# Altium PCB PCB.PcbDoc (part 1 of 2) (continued)
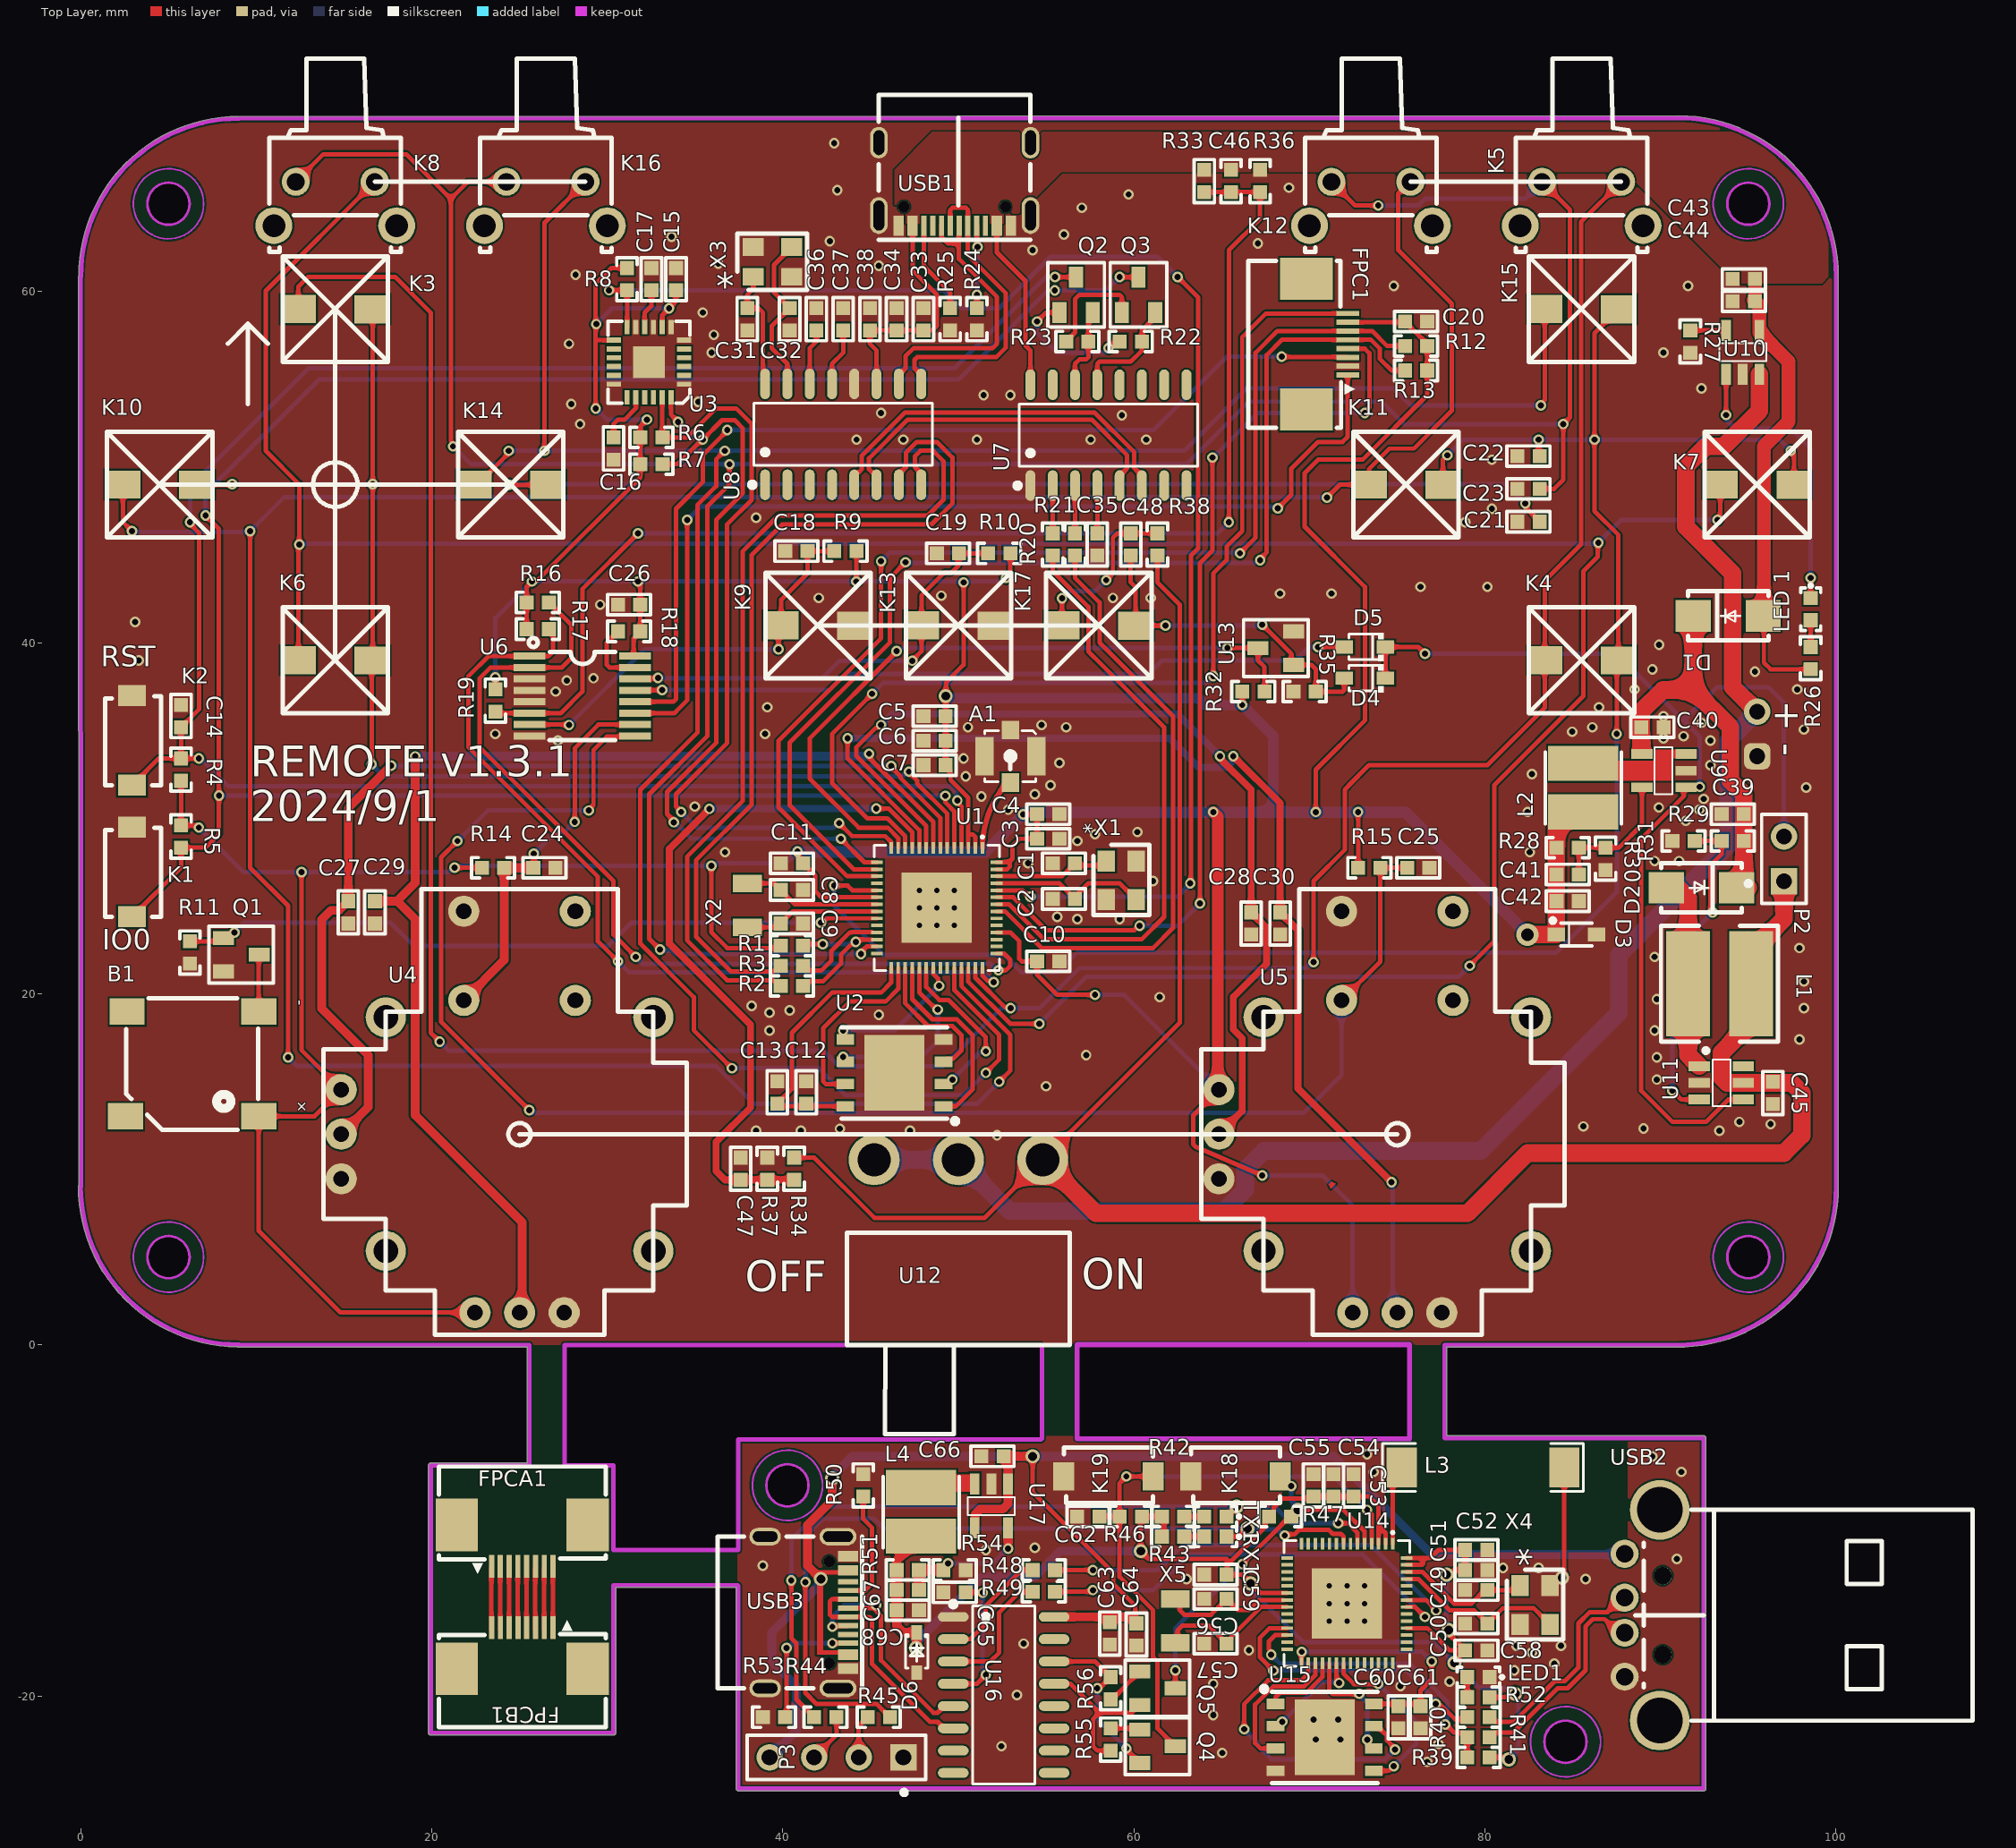
[diagram p0: Top Layer view]
## Components (designator, comment, footprint, x,y, rotation, side; value= is the part's Value field where it differs from the comment) (continued)
R30 "22.1K" CR1608-0603 86.868,27.686 r270 top
R31 "10KR" CR1608-0603 91.313,28.702 r0 top
R32 "100KR" CR1608-0603 66.802,37.211 r180 top
R33 "10K" CR1608-0603 65.532,66.294 r90 top
R34 "10K" CR1608-0603 40.64,10.033 r90 top
R35 "10KR" CR1608-0603 69.723,37.211 r0 top locked
R36 "10K" CR1608-0603 67.183,66.294 r270 top
R37 "10K" CR1608-0603 39.116,10.033 r270 top
R38 "100R" CR1608-0603 61.341,45.593 r90 top
R39 "1.5K" CR1608-0603 79.629,-23.495 r180 top
R40 "0R" CR1608-0603 79.629,-22.352 r0 top
R41 "0R" CR1608-0603 79.629,-21.209 r0 top
R42 "4.7K" CR1608-0603 62.23,-9.779 r0 top
R43 "4.7K" CR1608-0603 62.23,-10.922 r0 top
R44 "100R" CR1608-0603 42.418,-21.209 r0 top
R45 "100R" CR1608-0603 45.466,-21.209 r180 top
R46 "10K/NC" CR1608-0603 59.817,-9.779 r0 top
R47 "10K" CR1608-0603 68.326,-9.779 r180 top
R48 "470R" CR1608-0603 54.864,-12.827 r0 top
R49 "470R" CR1608-0603 54.864,-14.061 r0 top
R50 "5.1K" CR1608-0603 44.577,-8.001 r270 top
R51 "100K" CR1608-0603 47.117,-12.827 r0 top
R52 "4.7K" CR1608-0603 79.629,-20.066 r180 top
R53 "5.1K" CR1608-0603 39.497,-21.209 r0 top
R54 "22.1K" CR1608-0603 49.784,-12.827 r0 top
R55 "12K/10K" CR1608-0603 58.674,-22.479 r90 top
R56 "12K/10K" CR1608-0603 58.674,-19.558 r270 top
RX1 "LED 0603" "LED 0603" 64.643,-10.922 r0 top
TX1 "LED 0603" "LED 0603" 64.643,-9.779 r0 top
U1 "ESP32-S3" QFN-56 48.768,24.892 r270 top
U2 "W25Q64JVPIQ" WSON-8 46.355,15.494 r90 top locked
U3 "MPU6050" "QFN24 - duplicate" 32.373,55.975 r180 top
U4 "rocker" PCBCOMPONENT_1 25,12 r0 top locked
U5 "rocker" PCBCOMPONENT_1 75,12 r0 top locked
U6 "PCA9557PW" TSSOP-16 28.575,36.957 r270 top
U7 "CH340C" SOP-16 58.547,51.816 r0 top
U8 "SL2.1A" SOP-16 43.434,51.864 r0 top
U9 "SY8089A1AAC" SOT23-5 91.44,33.66 r270 top
U10 "TP4054" SOT23-5 95.636,55.285 r180 top
U11 "SX1308" SOT23-6 93.472,14.986 r270 top
U12 "HX SS12D10G4" SW-TH_3P-SS12D06 50,10.541 r0 top locked
U13 "AO3400A" SOT-23 69.088,38.735 r90 top locked
U14 "ESP32-S3" QFN-56 72.136,-14.732 r270 top locked
U15 "W25Q128JVPIQ" WSON-8 70.866,-22.352 r270 top
U16 "CH340C" SOP-16 52.578,-19.939 r270 top
U17 "SY8089A1AAC" SOT23-5 50.922,-7.914 r0 top
USB1 "Tpye-c 16P" "TYPE-C 16P" 46.898,64.829 r180 top locked
USB2 "AM90" USB-AM 88.952,-15.4 r90 top
USB3 "Tpye-c 16P" "TYPE-C 16P" 42.639,-18.132 r270 top locked
X1 "3225_40M" XTAL-3225 60.12,27.559 r270 top locked
X2 "32.768kKHz" XTAL-3215 37.973,26.289 r270 top
X3 "3225_12M" XTAL-3225 38.313,62.533 r0 top
X4 "3225_40M" XTAL-3225 83.693,-13.716 r270 top
X5 "32.768kKHz" XTAL-3215 62.357,-14.478 r270 top

## Footprints (in the part's own frame and the unit in brackets; to place one, negate y for a bottom-side part, rotate by r counter-clockwise, add the part's x,y. Pads: shape width x height; smd on the part's side, far side on the other; paste and mask are expansions set on the pad)
ANT-SMD_L9.5-W2.1 [mm]
  rect 1.71x2.268 smd paste-100 mask+0.051: 1(-4.63,0) 2(4.63,0)
  silkscreen extent -5.71,-1.36 5.71,1.36, body extent -4.81,-1.05 4.69,1.05, height 1.05
BUZ-SMD_GSC7525RA [mm]
  rect 2x1.5 smd paste+0 mask+0.051: 1(-3.795,2.98) 2(-3.795,-2.98) 3(3.705,-2.98) 3(3.795,2.98)
  silkscreen extent -3.75,-3.75 3.76,3.76, body extent -3.81,-3.81 3.69,3.69, height 2.5
CC1608-0603 [mm]
  rect 0.8x0.8 smd: 1(-0.635,0) 2(0.635,0)
  silkscreen extent -1.23,-0.58 1.23,0.58, body extent -0.8,-0.4 0.8,0.4, height 0.3
CR1608-0603 [mm]
  rect 0.8x0.8 smd: 1(-0.635,0) 2(0.635,0)
  silkscreen extent -1.23,-0.58 1.23,0.58, body extent -0.8,-0.4 0.8,0.4, height 0.45
"DO-214 AA" [mm] "SMB"
  rect 2x1.8 smd: 1(-2,0) 2(2,0)
  silkscreen extent -2.3,-1.4 2.3,1.4, body extent -2.83,-1.8 2.57,1.8, height 2.4
"DO-214 AA SMB" [mm]
  rect 2x1.8 smd: 1(-2,0) 2(2,0)
  silkscreen extent -2.3,-1.4 2.3,1.4, body extent -2.83,-1.8 2.57,1.8, height 2.4
FFC-SMD_8P-P0.50 [mm]
  rect 0.3x1.3 smd paste+0 mask+0.051: 1(1.75,1.175) 2(1.25,1.175) 3(0.75,1.175) 4(0.25,1.175) 5(-0.25,1.175) 6(-0.75,1.175) 7(-1.25,1.175) 8(-1.75,1.175)
  rect 2.4x3 smd paste+0 mask+0.051: 9(3.725,-1.175) 10(-3.725,-1.175)
  silkscreen extent -4.75,-4.5 4.75,1.6, body extent -3.18,-2.71 3.18,0.89, height 0.85
HDR1X2 [mm] "Connector; Header; 2 Position"
  rect 1.5x1.5 hole 0.9: 1(0,0)
  round 1.5 hole 0.9: 2(2.54,0)
  silkscreen extent -1.27,-1.27 3.81,2.17, body extent -1.27,-1.27 3.81,1.27, height 8.54
HDR1X4 [mm] "Connector; Header; 4 Position"
  rect 1.5x1.5 hole 0.9: 1(0,0)
  round 1.5 hole 0.9: 2(2.54,0) 3(5.08,0) 4(7.62,0)
  silkscreen extent -1.27,-1.27 8.89,2.14, body extent -1.27,-1.27 8.89,1.27, height 8.54
HX2.54-2 [mm] "两针白色插座（已加焊）"
  rrect50% 1.5x1.5 hole 0.9: 1(0,0)
  round 1.5 hole 0.9: 2(2.54,0)
  silkscreen extent -2.36,-3.5 4.94,2.2, body extent -2.48,-3.55 5.02,2.45, height 7
INDUCTOR-4018 [mm]
  rect 2x4 smd paste+0 mask+0.051: 1(-1.397,0) 2(1.373,0)
  silkscreen extent -2.03,-2.16 2.03,2.16, body extent -2,-2 2,2, height 1.8
Inductor-4018 [mm]
  rect 2x4 smd paste+0 mask+0.051: 1(-1.397,0) 2(1.373,0)
  silkscreen extent -2.03,-2.16 2.03,2.16, body extent -2,-2 2,2, height 1.8
INDUCTOR-6045 [mm] "电感"
  rect 6x2.5 smd: 1(0,0) 2(0,-3.6)
  silkscreen extent -3.3,-5.14 3.3,1.52, body extent -3,-4.93 3,1.37, height 4.5
IPEX-SMD_HC-RF-IPEX0303-01 [mm] "孔径2.0mm"
  rect 1x1.05 smd: 1(0,-1.5) 4(0,1.5)
  rect 1.05x2.2 smd: 2(1.475,0) 3(-1.475,0)
  silkscreen extent -1.45,-1.45 1.45,1.45, body extent -1.5,-1.55 1.5,1.55, height 1.25
"KEY 3*4" [mm]
  rect 1.2x1.6 smd: 1(0,0) 2(5.1,0)
  silkscreen extent 0,-1.65 5.08,1.52, body extent 0.25,-1.71 4.7,1.46, height 2.01
"KEY 6*6*5" [mm] "无声微动开关"
  rect 2x1.6 smd: 1(-2.1,0) 2(2.1,-0.013)
  silkscreen extent -3,-3.01 3,3.01, body extent -3.32,-3.05 3.33,3.05, height 5
"LED 0603" [mm]
  rect 0.8x0.8 smd: 1(-0.635,0) 2(0.635,0)
  silkscreen extent -1.21,-0.57 1.4,0.57, body extent -0.8,-0.4 0.8,0.4, height 0.6
PCBCOMPONENT_1 [mil]
  round 70 hole 35.4 paste+0 mask+4: 1(-125,500) 2(125,500) 3(-125,300) 4(125,300)
  round 70 hole 35 paste+0 mask+4: 5(-400,100) 6(-400,0) 7(-400,-100) 8(-100,-400) 9(0,-400) 10(100,-400)
  round 90 hole 55 paste+0 mask+4: MOUNT1(-300,262) MOUNT2(-300,-262) MOUNT3(300,-262) MOUNT4(300,262)
  silkscreen extent -440,-450 375,550, body extent -447,-446 290,535, height 772
"QFN24 - duplicate" [mm]
  rect 0.8x0.3 smd: 1(-2,1.25) 2(-2,0.75) 3(-2,0.25) 4(-2,-0.25) 5(-2,-0.75) 6(-2,-1.25) 13(2,-1.25) 14(2,-0.75) 15(2,-0.25) 16(2,0.25) 17(2,0.75) 18(2,1.25)
  rect 1.8x1.8 smd: 1(0.005,0)
  rect 0.3x0.8 smd: 7(-1.25,-2) 8(-0.75,-2) 9(-0.25,-2) 10(0.25,-2) 11(0.75,-2) 12(1.25,-2) 19(1.25,2) 20(0.75,2) 21(0.25,2) 22(-0.25,2) 23(-0.75,2) 24(-1.25,2)
  silkscreen extent -2.32,-2.32 2.32,2.32, body extent -2,-2 2.01,2, height 0.9
QFN-56 [mm]
  rect 0.665x0.2 smd paste-100 mask+0.051: 1(-3.407,2.6) 2(-3.407,2.2) 3(-3.407,1.8) 4(-3.407,1.4) 5(-3.407,1) 6(-3.407,0.6) 7(-3.407,0.2) 8(-3.407,-0.2) 9(-3.407,-0.6) 10(-3.407,-1) 11(-3.407,-1.4) 12(-3.407,-1.8) 13(-3.407,-2.2) 14(-3.407,-2.6) 29(3.408,-2.6) 30(3.408,-2.2) 31(3.408,-1.8) 32(3.408,-1.4) 33(3.408,-1) 34(3.408,-0.6) 35(3.408,-0.2) 36(3.408,0.2) 37(3.408,0.6) 38(3.408,1) 39(3.408,1.4) 40(3.408,1.8) 41(3.408,2.2) 42(3.408,2.6)
  rect 0.2x0.665 smd paste-100 mask+0.051: 15(-2.6,-3.407) 16(-2.2,-3.407) 17(-1.8,-3.407) 18(-1.4,-3.407) 19(-1,-3.407) 20(-0.6,-3.407) 21(-0.2,-3.407) 22(0.2,-3.407) 23(0.6,-3.407) 24(1,-3.407) 25(1.4,-3.407) 26(1.8,-3.407) 27(2.2,-3.407) 28(2.6,-3.407) 43(2.6,3.408) 44(2.2,3.408) 45(1.8,3.408) 46(1.4,3.408) 47(1,3.408) 48(0.6,3.408) 49(0.2,3.408) 50(-0.2,3.408) 51(-0.6,3.408) 52(-1,3.408) 53(-1.4,3.408) 54(-1.8,3.408) 55(-2.2,3.408) 56(-2.6,3.408)
  rect 4x4 smd paste-100 mask+0.051: 57(0,0)
  silkscreen extent -4.11,-3.58 3.58,3.58, body extent -3.51,-3.52 3.51,3.49, height 0.9
SOD-323#1 [mm]
  rect 1x0.8 smd: 1(0,0) 2(2.3,0)
  silkscreen extent -0.32,-0.65 2.02,0.92, body extent -0.16,-0.67 2.44,0.68, height 1.1
SOD-323#2 [mm]
  rect 0.83x0.63 smd paste+0 mask+0.05: 1(-1.14,0) 2(1.14,0)
  silkscreen extent -1.02,-0.64 0.89,0.64, body extent -1.27,-0.68 1.33,0.68, height 1.1
SOD-323_L1.8-W1.3-LS2.5-RD [mm]
  rect 1x0.75 smd paste+0 mask+0.051: 1(-1.173,0) 2(1.173,0)
  silkscreen extent -1.08,-0.8 0.9,0.8, body extent -1.3,-0.67 1.3,0.68, height 1.1
SOP-16 [mm]
  oval 0.56x1.745 smd: 1(-4.445,-2.873) 2(-3.175,-2.873) 3(-1.905,-2.873) 4(-0.635,-2.873) 5(0.635,-2.873) 6(1.905,-2.873) 7(3.175,-2.873) 8(4.445,-2.873) 9(4.445,2.873) 10(3.175,2.873) 11(1.905,2.873) 12(0.635,2.873) 13(-0.635,2.873) 14(-1.905,2.873) 15(-3.175,2.873) 16(-4.445,2.873)
  silkscreen extent -5.33,-3.02 5.08,1.77, body extent -4.99,-3.09 4.99,3.14, height 1.59
SOT23-5 [mm] "适用于MIC5205"
  rect 0.55x1.2 smd: 1(1.905,0) 2(0.955,0) 3(0.005,0) 4(0.005,-2.5) 5(1.905,-2.5)
  silkscreen extent -0.38,-1.78 2.29,-0.76, body extent -0.6,-2.82 2.5,0.38, height 1.45
SOT23-6 [mm]
  rect 0.55x1.2 smd: 1(-0.889,-1.27) 2(0.061,-1.27) 3(1.011,-1.27) 4(1.011,1.23) 5(0.061,1.23) 6(-0.889,1.23)
  silkscreen extent -1.9,-1.02 1.4,0.51, body extent -1.39,-1.4 1.51,1.4, height 1.45
SOT-23 [mm]
  rect 0.8x1.2 smd: 1(0,0) 2(1.905,0) 3(0.95,2.02)
  silkscreen extent -0.66,-0.84 2.57,2.84, body extent -0.61,-0.23 2.39,2.27, height 1.05
SW-TH_3P-SS12D06 [mm]
  round 2.9 hole 1.9 paste+0 mask+0.051: 1(-4.8,0) 2(0,0) 3(4.8,0)
  silkscreen extent -6.35,-15.62 6.35,-4.15, body extent -6.35,-15.68 6.35,-4.19, height 6.7
SW-TH_KH-6X6X7H-ZJ [mm]
  round 1.6 hole 1 paste+0 mask+0.05: 1(2.25,1.25) 2(-2.25,1.25)
  round 2.1 hole 1.3 paste+0 mask+0.05: 3(3.5,-1.25) 4(-3.5,-1.25)
  silkscreen extent -3.75,-2.75 3.75,8.25, body extent -3.75,-2.48 3.75,5.67, height 7.5
TSSOP-16 [mm]
  rect 0.406x1.803 smd paste+0 mask+0.102: 1(-2.275,-3) 2(-1.625,-3) 3(-0.975,-3) 4(-0.325,-3) 5(0.325,-3) 6(0.975,-3) 7(1.625,-3) 8(2.275,-3) 9(2.275,3) 10(1.625,3) 11(0.975,3) 12(0.325,3) 13(-0.325,3) 14(-0.975,3) 15(-1.625,3) 16(-2.275,3)
  silkscreen extent -3.3,-3.05 2.5,1.88, body extent -2.5,-3.2 2.5,3.2, height 1.1
"TYPE-C 16P" [mm]
  oval 1x2.099 hole 0.6 slot 1.7 at 90 deg: 1(-7.21,0.5) 2(1.43,0.5)
  oval 1x1.799 hole 0.6 slot 1.4 at 90 deg: 3(-7.21,-3.65) 4(1.43,-3.65)
  rect 0.6x1.15 smd: A1B12(-6.09,1.075) A4B9(-5.29,1.075) B1A12(0.31,1.075) B4A9(-0.49,1.075)
  rect 0.3x1.15 smd: A5(-4.14,1.075) A6(-3.14,1.075) A7(-2.64,1.075) A8(-1.64,1.075) B5(-1.14,1.075) B6(-2.14,1.075) B7(-3.64,1.075) B8(-4.64,1.075)
  round 0.65 hole 0.65 unplated: ""(-5.78,0) ""(0,0)
  silkscreen extent -7.21,-6.37 1.43,1.89, body extent -7.31,-6 1.63,0.9, height 3.18
USB-AM [mm]
  round 1.6 hole 1 paste+0 mask+0.051: 1(3.5,1) 2(1,1) 3(-1,1) 4(-3.5,1)
  round 3.4 hole 2.6 paste+0 mask+0.051: MH1(6,-1) MH2(-6,-1)
  round 1 hole 1 unplated paste+0: ""(-2.25,-1.175) ""(2.25,-1.175)
  silkscreen extent -6.01,-18.81 6.01,-0.1, body extent -6.3,-18.67 6.3,1.52, height 4.5
WSON-8 [mm]
  rect 0.6x1 smd paste+0 mask+0.051: 1(-1.905,-2.8) 2(-0.635,-2.8) 3(0.635,-2.8) 4(1.905,-2.8) 5(1.905,2.8) 6(0.635,2.8) 7(-0.635,2.8) 8(-1.905,2.8)
  rect 4.3x3.4 smd paste+0 mask+0.051: 9(0,0)
  silkscreen extent -2.9,-3.6 2.6,3, body extent -2.5,-3 2.5,3, height 0.7
XTAL-3215 [mm]
  rect 1x1.65 smd: 1(0,0) 2(2.5,0)
  body extent -0.33,-0.75 2.87,0.75, height 0.8
XTAL-3225 [mm]
  rect 1.2x1 smd: 1(0,-1.7) 2(2.2,-1.7) 3(2.2,0) 4(0,0)
  silkscreen extent -0.91,-2.44 3.07,0.76, body extent -0.43,-2.15 2.77,0.35, height 0.61

## Part data
A1: "贴片封装的天线 封装类型为IPEX"
B1: "2700Hz", Manufacturer=INGHAi(赢海), Manufacturer Part=GSC7525RA-16R2700, Contributor=LCSC, nameAlias=Value, spicePre=B, spiceSymbolName=GSC7525RA-16R2700, Supplier=LCSC, Supplier Part=C255313
C1 C2 C3 C4 C5 C6 C7 C8 C9 C10 C11 C12 C13 C14 C15 C16 C17 C18 C19 C20 C21 C22 C23 C24 C25 C26 C27 C28 C29 C30 C31 C32 C33 C34 C35 C36 C37 C38 C40 C41 C42 C43 C44 C45 C46 C47 C48 C49 C50 C51 C52 C53 C54 C55 C56 C57 C58 C59 C60 C61 C62 C63 C64 C65 C66 C67 C68: library part "Cap Chip 0603", "0603封装的电容", Published=8-Jun-2000, Publisher="Altium Limited", Revision="July-2002: Re-released for DXP Platform."
C39: library part "Chip capacitor", "贴片电容"
D1 D4 D5: "肖特基二极管"
D2: "大电流肖特基二极管，5A/40V"
D3 D6: "SOD-323 3.3V 双向ESD防静电二极管保护芯片", JLCPCB Part Class="Extended Part", Manufacturer=MDD, Manufacturer Part=SMAJ6.5CA, spicePre=D, spiceSymbolName=SMAJ6.5CA-C110041, Supplier=LCSC, Supplier Part=C110041
FPC1 FPCA1 FPCB1: JLCPCB Part Class="Extended Part", Manufacturer=TXGA(特思嘉), Manufacturer Part=FFC05001-08SBB124W5M-H, Contributor=LCSC, spicePre=F, spiceSymbolName=FFC05001-08SBB124W5M-H, Supplier=LCSC, Supplier Part=C456420
K1 K2 K18 K19: "轻触开关按键"
K3 K4 K6 K7 K9 K10 K11 K13 K14 K15 K17: "无声轻触开关"
K5 K8 K12 K16: "卧式轻触开关"
L1: library part Inductor-6045, "6045封装 线绕SMD功率电感"
L2 L4: library part Inductor-4018, "贴片电感 1206封装"
L3: JLCPCB Part Class="Extended Part", Manufacturer=rainsun(霖昱微), Manufacturer Part=AN9520-245, spicePre=L, spiceSymbolName=AN9520-245, Supplier=LCSC, Supplier Part=C99665
P1 P2: "Header, 2-Pin", LatestRevisionDate=17-Jul-2002, LatestRevisionNote="Re-released for DXP Platform.", Publisher="Altium Limited"
P3: "Header, 4-Pin", LatestRevisionDate=17-Jul-2002, LatestRevisionNote="Re-released for DXP Platform.", Publisher="Altium Limited"
Q1: "N沟道  / 漏源电压(Vdss) 20V  / 连续漏极电流(Id) 2.8A  / 功率(Pd) 900mW  / 导通电阻(RDS(on)@Vgs,Id) 55mΩ@4.5V,2.8A  / 阈值电压(Vgs(th)@Id) 1.2V@250uA  / 输入电容(Ciss@Vds) 260pF@10V", JLCPCB Part Class="Extended Part", Manufacturer=TWGMC(台湾迪嘉), Manufacturer Part=SI2306, Contributor=LCSC, spicePre=Q, spiceSymbolName=SI2306_C727154, Supplier=LCSC, Supplier Part=C727154
Q2 Q3 Q4 Q5: Manufacturer=SALLTECH(萨瑞), Contributor=lcsc, Manufacturer Part=S8050, spicePre=Q, spiceSymbolName=S8050_C3027096, Supplier=LCSC, Supplier Part=C3027096
R1 R2 R3 R4 R5 R6 R7 R8 R9 R10 R12 R13 R14 R15 R16 R17 R18 R19 R20 R21 R22 R23 R24 R25 R26 R27 R28 R30 R33 R34 R36 R37 R38 R39 R40 R41 R42 R43 R44 R45 R46 R47 R48 R49 R50 R51 R52 R53 R54 R55 R56: library part "Resistor Chip 0603", "0603封装电阻", Published=8-Jun-2000, Publisher="Altium Limited", Revision="July-2002: Re-released for DXP Platform."
R11 R29 R31 R32 R35: library part "Chip resistor", "贴片电阻"
U1 U14: JLCPCB Part Class="Extended Part", Manufacturer=ESPRESSIF(乐鑫), Contributor=LCSC, Manufacturer Part=ESP32-S3, spicePre=U, spiceSymbolName=ESP32-S3, Supplier=LCSC, Supplier Part=C2913192
U2: library part W25Q128JVPIQ, JLCPCB Part Class="Extended Part", Manufacturer=WINBOND(华邦), Contributor=LCSC, Manufacturer Part=W25Q128JVPIQ, spicePre=U, spiceSymbolName=W25Q128JVPIQ, Supplier=LCSC, Supplier Part=C2803379
U3: "陀螺仪"
U4 U5: Manufacturer Part=摇杆, Contributor=Alex_Ai, spicePre=U, spiceSymbolName="摇杆_直插_圆半径13_10电气脚_4固定脚 COPY"
U6: "TSSOP-16 8位I2C总线和SMBus I/O扩展器芯片", JLCPCB Part Class="Extended Part", Manufacturer=TI(德州仪器), Contributor=LCSC, Manufacturer Part=PCA9557PW, spicePre=U, spiceSymbolName=PCA9557PW, Supplier=LCSC, Supplier Part=C1542488
U7 U16: JLCPCB Part Class="Extended Part", Manufacturer=WCH(南京沁恒), Manufacturer Part=CH340C, spicePre=U, spiceSymbolName=CH340C, Supplier=LCSC, Supplier Part=C84681
U8: "USB HUB 四拓展"
U9 U17: "SY8089A1是一种高效率的1.5MHz同步降压DC/DC稳压器，能够提供高达输出电流2A。它可以在2.5V到5.5V的宽输入电压范围内工作，集成了主开关和同步开关，具有极低的RDS(ON)，最大限度地减少了导通损耗。 / 输出电压纹波小，外接电感小，电容器尺寸小 / 1.5MHz开关频率。"
U10: "迷你充电IC SOT-23-5"
U11: "SOT23-6 升压芯片"
U12: library part SW-TH_3P-SS12D06, BOM_JLCPCB Part Class="Extended Part", BOM_Manufacturer=hanxia(韩下), BOM_Manufacturer Part="HX SS12D10G4", BOM_Supplier=LCSC, BOM_Supplier Part=C5149841, Contributor=lcsc, link=https://atta.szlcsc.com/upload/public/pdf/source/20220907/2020D7183ED16DD6E2B9F5A13FB144CF.pdf, spicePre=U, spiceSymbolName="HX SS12D10G4"
U13: "UMW AO3400A SOT-23 30V/5.8A N沟道 MOS(场效应管)芯片", JLCPCB Part Class="Extended Part", Manufacturer=ElecSuper(静芯微）, Manufacturer Part=AO3401A, Contributor=lcsc, link=https://so.szlcsc.com/global.html?k=C5224202&ref=editor, spicePre=U, spiceSymbolName=AO3401A_C5224202, Supplier=LCSC, Supplier Part=C5224202
U15: JLCPCB Part Class="Extended Part", Manufacturer=WINBOND(华邦), Contributor=LCSC, Manufacturer Part=W25Q128JVPIQ, spicePre=U, spiceSymbolName=W25Q128JVPIQ, Supplier=LCSC, Supplier Part=C2803379
USB1 USB3: "16P 封装的TYPE -c接口 4固定插脚 双向"
USB2: library part USB-AM90, JLCPCB Part Class="Extended Part", Manufacturer="SHOU HAN(首韩)", Contributor=LCSC, Manufacturer Part=AM90, spicePre=U, spiceSymbolName=AM90, Supplier=LCSC, Supplier Part=C404965
X1 X3 X4: library part "XTAL 3225", "3225封装的晶振"
X2 X5: library part "XTAL 3215 32.768kKHz", "3215封装的时钟晶振"

## Via types
v1: diameter 0.6, hole 0.35, Top Layer to Bottom Layer, tented both sides, 343 vias
v2: diameter 0.8, hole 0.5, Top Layer to Bottom Layer, tented both sides, 16 vias
v3: diameter 0.61, hole 0.305, Top Layer to Bottom Layer, 9 vias
v4: diameter 0.61, hole 0.305, Top Layer to Bottom Layer, tented both sides, 9 vias
v5: diameter 1.27, hole 0.711, Top Layer to Bottom Layer, tented both sides, 1 vias

## Nets (pads, with @x,y where several pads share a name; then routed paths per layer and width w, separated by ;. In a path a pad name is that pad's centre, name@x,y a point inside that pad or via, vN(x,y) a via of type N, cw(c..) or ccw(c..) an arc to the next point about the centre after c; other vN are vias at no path point)
3.3V: B1.1 C3.2 C4.2 C5.2 C6.2 C7.2 C10.2 C11.2 C15.2 C20.1 C26.2 C41.2 C42.2 D3.1 FPC1.7 L2.2 R1.1 R4.2 R5.2 R6.1 R7.1 R8.1 R9.1 R10.1 R12.2 R13.2 R14.2 R15.2 R16.1 R17.1 R18.1 R19.1 R28.1 R32.2 U1.2 U1.3 U1.20 U1.46 U1.55 U1.56 U3.8 U3.13 U4.5 U4.8 U5.5 U5.8 U6.16 | length 370.2
  Top Layer w0.254: R4.2@5.715,32.131 R5.2@5.715,29.591 6.604,29.591 v1(6.731,29.464) ; v1(12.573,26.924) 12.573,16.807 U4.5@14.84,14.54 13.322,13.022 B1.1@10.145,13.022 10.145,6.492 14.797,1.84 U4.8@22.46,1.84 ; v1(21.303,27.178) R14.2@22.86,27.178 ; R19.1@23.622,37.338 v1(23.622,38.028) ; R17.1@25.4,40.767 R16.1@25.4,42.291 25.4,43.18 25.774,43.554 26.028,43.554 31.877,49.403 R6.1@31.877,51.689 31.877,52.324 v1(32.258,52.705) ; v1(29.337,53.34) 29.337,58.114 v1(29.367,58.144) 29.337,58.174 29.337,60.452 30.226,61.341 R8.1@31.115,61.341 ; 29.337,57.277 29.389,57.225 U3.13@30.373,57.225 ; U6.16@31.575,39.232 31.496,39.311 31.496,40.259 R18.1@31.877,40.64 C26.2@31.877,42.164 v1@31.877,43.267 ; U3.8@33.123,57.975 33.123,58.65 v1(33.516,59.043) 33.909,59.436 C15.2@33.909,60.071 ; v1(35.92,27.284) 35.92,23.516 36.83,22.606 39.751,22.606 R1.1@39.878,22.733 ; v1@40.715,27.992 41.148,27.559 C11.2@41.148,27.432 41.421,27.159 41.846,26.734 41.846,25.845 42.199,25.492 U1.20@45.361,25.492 ; v1@44.196,43.561 R9.1@44.196,45.212 ; v1(50.292,43.434) 50.292,38.735 49.295,37.738 49.295,36.976 v2(49.276,36.957) C5.2@49.276,35.814 C6.2@49.276,34.417 C7.2@49.276,33.02 49.549,32.747 49.549,32.176 50.568,31.157 50.568,29.188 ; U1.3@50.568,28.299 50.568,29.083 50.568,29.188 ; U1.2@50.968,28.299 50.968,28.934 50.819,29.083 50.673,29.083 50.568,29.188 ; U1.46@52.176,23.492 52.962,23.492 53.467,22.987 53.467,21.993 53.616,21.844 C10.2@54.483,21.844 54.483,21.082 55.626,19.939 v1(57.785,19.939) ; U1.55@52.176,27.092 52.784,27.092 52.933,27.241 52.933,27.451 52.892,27.492 ; U1.56@52.176,27.492 52.892,27.492 ; v1(52.705,43.688) 52.959,43.942 R10.1@52.959,45.085 ; v1(53.696,30.223) 53.718,30.223 53.721,30.226 C4.2@54.483,30.226 C3.2@54.483,28.829 53.467,28.829 53.086,28.448 53.086,27.686 52.892,27.492 ; U5.5@64.84,14.54 64.84,14.534 63.373,13.067 63.373,11.535 63.373,11.43 63.522,11.281 v1(67.31,9.652) ; v1(66.167,36.449) R32.2@66.167,37.211 ; v1(70.358,30.353) 70.358,32.766 73.152,35.56 73.152,43.18 69.723,46.609 69.723,49.657 70.485,50.419 73.025,50.419 76.708,54.102 R13.2@76.708,55.499 R12.2@76.708,56.896 76.708,57.023 C20.1@75.438,58.293 75.395,58.25 FPC1.7@72.175,58.25 ; R15.2@72.771,27.178 v1(72.771,30.353)
  Top Layer w0.66: v1(64.516,30.353) 64.77,30.099 64.77,14.61 U5.5@64.84,14.54
  Top Layer w1: v5(82.423,23.368) D3.1@84.06,23.368 84.06,29.577 84.836,30.353 L2.2@85.598,30.353
  Bottom Layer w0.254: v1(6.731,29.464) 9.271,26.924 20.955,26.924 v1@21.209,27.178 ; v1@21.337,27.178 21.404,27.244 21.584,27.244 21.624,27.284 v1(35.92,27.284) ; v1(23.622,38.028) 23.622,41.402 v1(25.707,43.487) v1(31.75,43.487) 52.504,43.487 v1(52.705,43.688) ; v1(29.337,53.34) 29.972,52.705 v1(32.258,52.705) ; v1(29.367,58.144) 30.266,59.043 v1(33.516,59.043) ; v1@36.002,27.35 36.08,27.35 36.162,27.432 40.154,27.432 v1(40.831,28.109) ; v1(57.785,19.939) 59.441,19.939 U5.5@64.84,14.54 ; v1(67.31,9.652) 70.739,9.652 72.46,7.931 U5.8@72.46,1.84
  Bottom Layer w0.6: v2(49.276,36.957) 49.33,36.957 49.457,36.83 63.661,36.83 64.042,36.449 v1(66.167,36.449) 67.945,34.671 67.945,30.333
  Bottom Layer w0.66: v1(40.831,28.109) 40.868,28.072 51.545,28.072 v1(53.696,30.223) 53.806,30.333 64.516,30.333 67.945,30.333 70.358,30.333 72.751,30.333 v1(72.771,30.353) 75.438,30.353 v5(82.423,23.368)
  other v1: 44.184,43.484
5V: C39.1 C40.2 D1.1 D2.1 R29.2 U9.4 | length 22.5
  Top Layer w1: U9.4@88.94,33.874 88.9,33.914 C40.2@88.9,35.179 88.9,36.068 90.138,37.306 91.853,37.306 ; D1.1@91.853,41.529 91.853,37.306 ; D2.1@94.996,26.035 94.742,26.289 R29.2@94.742,28.702 C39.1@94.742,30.226 94.742,31.369 93.98,32.131 93.98,35.179 91.853,37.306
_3.3V: C51.2 C52.2 C53.2 C54.2 C55.2 C58.2 C59.2 C67.2 C68.2 D6.1 L4.2 R39.1 R42.1 R43.1 R46.2 R47.2 R51.1 R52.1 U14.2 U14.3 U14.20 U14.46 U14.55 U14.56 | length 93
  Top Layer w0.254: R43.1@61.722,-11.049 61.722,-9.779 R46.2@60.452,-9.779 60.388,-9.842 60.388,-11.621 60.452,-11.684 v2(60.388,-11.748) 60.833,-12.192 65.278,-12.192 65.278,-12.573 ; R47.2@67.691,-9.653 67.466,-9.878 67.466,-10.385 65.278,-12.573 ; R47.2@67.817,-9.653 67.964,-9.506 67.964,-9.26 68.48,-8.744 70.123,-8.744 C55.2@70.231,-8.636 C54.2@71.374,-8.636 C53.2@72.517,-8.636 73.406,-8.636 73.936,-9.166 73.936,-10.309 ; U14.20@68.728,-14.132 67.218,-14.132 66.665,-13.579 66.167,-13.081 C59.2@65.278,-13.081 65.278,-12.573 ; U14.3@73.936,-11.324 73.936,-10.309 ; U14.2@74.336,-11.324 74.336,-10.709 73.936,-10.309 ; U14.46@75.544,-16.132 76.711,-16.132 77.978,-17.399 C58.2@78.867,-17.399 ; U14.55@75.544,-12.532 76.413,-12.532 76.454,-12.491 76.454,-12.132 ; U14.56@75.544,-12.132 76.454,-12.132 ; v2(77.797,-13.081) 77.944,-13.081 78.198,-12.827 C51.2@78.867,-12.827 C52.2@78.867,-11.684 77.343,-11.684 76.895,-12.132 76.454,-12.132 ; v2@77.978,-16.256 77.978,-16.51 C58.2@78.867,-17.399 ; v2(78.256,-18.118) 78.38,-17.994 78.38,-17.886 C58.2@78.867,-17.399 ; R39.1@80.264,-23.495 81.245,-23.495 v2(81.362,-23.612) ; R52.1@80.264,-20.066 v2@81.661,-20.066
  Top Layer w0.5: v2@47.625,-17.272 D6.1@47.625,-16.386 46.866,-16.386 46.482,-16.002 C68.2@46.482,-15.113 C67.2@46.482,-13.97 R51.1@46.482,-12.827 46.482,-12.295 L4.2@47.879,-10.898
  Bottom Layer w0.254: v2@66.675,-13.624 66.675,-13.97 69.632,-16.927 77.065,-16.927 v2(78.256,-18.118) 79.681,-19.543 81.298,-19.543 81.625,-19.87 81.915,-19.87 81.824,-19.962 81.824,-20.123 81.915,-20.214 81.915,-23.059 v2(81.362,-23.612) ; v2(77.797,-13.081) 77.797,-16.11 v2(77.933,-16.246)
  Bottom Layer w0.5: v2(47.58,-17.262) 47.637,-17.204 47.637,-16.903 50.707,-13.833 51.332,-13.208 54.356,-13.208 55.816,-11.748 v2(60.388,-11.748)
  other v2: 81.719,-19.87 66.647,-13.596
_CH340_N: U16.6 USB3.A7 USB3.B7 | length 12.8
  Top Layer w0.254: USB3.B7@43.434,-14.478 42.799,-14.478 42.672,-14.605 42.672,-15.367 42.805,-15.5 43.714,-15.5 44.936,-15.5 45.085,-15.649 45.085,-18.181 48.367,-21.463 48.811,-21.463 49.192,-21.844 U16.6@49.705,-21.844
_CH340_P: U16.5 USB3.A6 USB3.B6 | length 14.4
  Top Layer w0.25: v1(42.824,-16.054) 42.861,-16.017 43.689,-16.017 USB3.B6@43.714,-15.992
  Top Layer w0.254: USB3.A6@43.714,-14.992 45.147,-14.992 45.593,-15.438 45.593,-17.971 48.577,-20.955 48.811,-20.955 49.192,-20.574 U16.5@49.705,-20.574
  Bottom Layer w0.25: v1(42.824,-16.054) 42.824,-15.469 43.465,-14.828 v1(45.31,-14.828)
_CHIP_PU: C62.2 K19.1 Q4.3 R46.1 U14.4 | length 36
  Top Layer w0.254: C62.2@58.039,-9.779 R46.1@59.182,-9.779 ; K19.1@61.087,-7.493 v1(59.563,-7.493) 59.182,-7.874 R46.1@59.182,-9.779 ; Q4.3@62.357,-22.86 61.341,-21.844 61.341,-18.034 61.087,-17.78 61.087,-15.113 59.182,-13.208 R46.1@59.182,-9.779 ; v1(73.279,-9.398) 73.536,-9.655 U14.4@73.536,-11.324
  Bottom Layer w0.254: v1(59.563,-7.493) 71.374,-7.493 v1(73.279,-9.398)
_DTR: Q5.2 R55.1 U16.13 | length 8.9
  Top Layer w0.254: U16.13@55.451,-19.304 56.388,-19.304 58.039,-20.955 ; R55.1@58.674,-23.114 57.912,-23.114 57.658,-22.86 57.658,-21.336 58.039,-20.955 ; Q5.2@60.337,-20.513 59.895,-20.955 58.039,-20.955
_ESP32_N: R41.2 USB2.2 | length 12.2
  Top Layer w0.254: R41.2@80.264,-21.209 80.537,-21.482 81.642,-21.482 83.97,-19.154 84.542,-19.154 85.321,-18.375 85.321,-15.865 85.969,-15.217 86.967,-15.217 87.784,-14.4 USB2.2@87.952,-14.4
_ESP32_P: R40.2 USB2.3 | length 11.9
  Top Layer w0.254: R40.2@80.264,-22.352 80.537,-22.079 81.616,-22.079 84.137,-19.558 84.709,-19.558 85.725,-18.542 85.725,-16.033 86.137,-15.621 86.809,-15.621 87.552,-16.364 USB2.3@87.552,-16.4
_GND: C49.1 C50.1 C51.1 C52.1 C53.1 C54.1 C55.1 C56.1 C57.1 C58.1 C59.1 C60.1 C61.1 C62.1 C63.1 C64.1 C65.1 C66.1 C68.1 D6.2 K18.2 K19.2 L3.1 LED1.2 P3.1 R50.1 R53.1 R54.2 U14.57 U15.4 U15.9 U16.1 U17.2 USB2.4 USB3.1 USB3.2 USB3.3 USB3.4 USB3.A1B12 USB3.B1A12 X4.2 X4.4 | length 6.3
  Top Layer w0.254: v2(84.386,-13.266) 84.513,-13.14 L3.1@84.513,-6.985
  other v1: 76.708,-23.749 65.024,-23.241 52.451,-22.86 77.343,-22.733 70.358,-22.479 71.755,-22.479 70.231,-21.336 71.628,-21.336 64.516,-21.082 53.34,-19.939 75.184,-19.431 64.516,-19.304 77.978,-19.177 81.661,-18.542 83.947,-18.161 82.677,-17.526 66.548,-17.399 81.788,-17.145 84.328,-17.145 53.721,-17.018 62.992,-13.335 85.725,-13.335 81.026,-12.7 83.058,-12.7 38.862,-12.573 90.932,-12.192 51.562,-11.684 54.356,-11.557 73.66,-7.239 91.186,-7.239 89.535,-6.35 73.279,-6.223
  other v3: 71.136,-15.732 72.136,-15.732 73.136,-15.732 71.136,-14.733 72.136,-14.732 73.136,-14.732 71.136,-13.732 72.136,-13.732 73.136,-13.732
_GPIO0: K18.1 Q5.3 R47.1 U14.5 | length 20.6
  Top Layer w0.254: Q5.3@62.357,-19.558 v1(62.357,-18.542) ; v1(66.167,-12.492) 68.607,-10.052 68.688,-10.052 68.858,-9.882 R47.1@68.858,-9.801 ; K18.1@68.326,-7.493 68.326,-7.574 68.799,-8.047 v1(68.961,-8.047) ; R47.1@68.961,-9.779 v2(69.342,-9.398) 71.925,-9.398 73.136,-10.609 U14.5@73.136,-11.324
  Bottom Layer w0.254: v1(62.357,-18.542) 62.357,-16.129 64.142,-14.344 64.315,-14.344 v1(66.167,-12.492) ; v1(68.961,-8.047) 68.961,-8.869 69.342,-9.25 v2(69.342,-9.398)
_IO_N: R41.1 U14.25 | length 16.5
  Top Layer w0.254: v1(67.934,-18.553) 67.183,-17.801 67.183,-16.669 67.72,-16.132 U14.25@68.728,-16.132 ; v1(77.19,-20.452) 77.256,-20.518 77.486,-20.518 78.304,-21.336 78.867,-21.336 R41.1@78.994,-21.209
  Bottom Layer w0.254: v1(67.934,-18.553) 72.74,-18.552 75.536,-18.552 75.683,-18.702 77.134,-20.18 77.297,-20.346 v1(77.19,-20.452) v1(77.19,-20.452)
_IO_P: R39.2 R40.1 U14.26 | length 17.2
  Top Layer w0.254: v1(67.818,-17.653) 67.752,-17.587 67.752,-17.392 67.691,-17.331 67.691,-16.879 68.038,-16.532 U14.26@68.728,-16.532 ; v1(77.724,-21.623) 77.776,-21.623 78.232,-22.079 78.721,-22.079 R40.1@78.994,-22.352 R39.2@78.994,-23.495
  Bottom Layer w0.254: v1(67.818,-17.653) 68.313,-18.148 72.571,-18.148 ; 72.572,-18.148 75.705,-18.148 77.851,-20.334 77.851,-21.302 77.79,-21.362 77.79,-21.557 v1(77.724,-21.623)
_RTS: Q4.2 R56.1 U16.14 | length 9.7
  Top Layer w0.254: U16.14@55.451,-18.034 57.785,-18.034 R56.1@58.674,-18.923 v1@58.039,-19.558 ; v1@59.563,-23.041 Q4.2@60.337,-23.815
  Bottom Layer w0.254: v1(57.912,-19.558) 57.912,-21.336 v1(59.563,-22.987)
_RXD: R45.1 RX1.2 U14.8 | length 47.8
  Top Layer w0.254: v1(41.286,-13.509) 41.275,-13.521 41.275,-19.812 41.91,-20.447 45.339,-20.447 R45.1@46.101,-21.209 ; RX1.2@65.278,-10.922 66.004,-10.922 v2(66.467,-10.46) ; v1(68.587,-10.855) 68.653,-10.789 69.147,-10.789 69.395,-10.541 71.108,-10.541 71.331,-10.763 71.787,-10.763 71.936,-10.912 U14.8@71.936,-11.324
  Bottom Layer w0.254: v1(41.286,-13.509) 41.286,-10.911 42.291,-9.906 45.212,-9.906 45.766,-10.46 v2(66.467,-10.46) ; v2@66.472,-10.465 66.523,-10.516 68.154,-10.516 68.493,-10.855 v1(68.587,-10.855)
_SPICLK: U14.33 U15.6 | length 6.9
  Top Layer w0.254: U14.33@71.136,-18.14 71.136,-19.722 71.317,-19.903 72.808,-19.903 v1(72.838,-19.873) ; v1(73.293,-22.493) 73.293,-22.814 73.466,-22.987 U15.6@73.666,-22.987
  Bottom Layer w0.254: v1(72.838,-19.873) 72.838,-19.927 73.293,-20.381 v1(73.293,-22.493)
_SPICS0: U14.32 U15.1 | length 4.3
  Top Layer w0.254: U15.1@68.066,-20.447 68.066,-20.072 68.32,-19.818 69.834,-19.818 70.736,-18.916 U14.32@70.736,-18.14
_SPID: U14.35 U15.5 | length 10.2
  Top Layer w0.254: U14.35@71.936,-18.14 71.936,-18.723 72.532,-19.319 73.899,-19.319 v1(73.914,-19.304) ; U15.5@73.666,-24.257 74.549,-24.257 v1(74.803,-24.003)
  Bottom Layer w0.254: v1(73.914,-19.304) 76.073,-21.463 76.073,-22.733 v1(74.803,-24.003)
_SPIHD: U14.30 U15.7 | length 18
  Top Layer w0.254: v1(66.275,-21.891) 66.275,-20.471 67.639,-19.107 69.539,-19.107 69.936,-18.71 U14.30@69.936,-18.14 ; U15.7@73.666,-21.717 73.866,-21.717 74.421,-22.272 74.421,-22.533 74.87,-22.981 v1(74.87,-23.047)
  Bottom Layer w0.254: v1(66.275,-21.891) 67.082,-22.699 67.082,-22.864 67.823,-23.605 74.312,-23.605 v1(74.87,-23.047)
_SPIQ: U14.34 U15.2 | length 5.9
  Top Layer w0.254: U15.2@68.066,-21.717 68.199,-21.717 v1(68.453,-21.463) ; U14.34@71.536,-18.14 71.536,-19.013 71.69,-19.167 v1(71.69,-19.26)
  Bottom Layer w0.254: v1(68.453,-21.463) 70.718,-19.198 71.627,-19.198 v1(71.69,-19.26)
_SPIWP: U14.31 U15.3 | length 8.3
  Top Layer w0.254: U15.3@68.066,-22.987 67.205,-22.987 66.902,-22.683 66.902,-20.488 67.927,-19.462 69.687,-19.462 70.336,-18.813 U14.31@70.336,-18.14
_TXD: R44.1 TX1.2 U14.6 | length 45.7
  Top Layer w0.254: v1(40.479,-13.415) 40.479,-16.707 40.767,-16.995 40.767,-20.193 R44.1@41.783,-21.209 ; TX1.2@65.278,-9.779 v2(65.849,-9.207) ; v1(71.628,-10.16) 72.184,-10.16 72.736,-10.712 U14.6@72.736,-11.324
  Bottom Layer w0.254: v1(40.479,-13.415) 40.479,-11.083 42.355,-9.207 v2(65.849,-9.207) 68.014,-9.207 68.966,-10.16 v1(71.628,-10.16)
_U0RXD: R48.2 U14.50 | length 25.8
  Top Layer w0.254: R48.2@55.499,-12.827 v1(57.658,-12.827) ; U14.50@75.544,-14.532 76.635,-14.532 77.217,-15.114 v1(77.217,-15.135)
  Bottom Layer w0.254: v1(57.658,-12.827) 61.341,-12.827 62.759,-11.409 73.512,-11.409 77.217,-15.114 v1(77.217,-15.135)
_U0TXD: R49.2 U14.49 | length 24.7
  Top Layer w0.254: R49.2@55.499,-14.061 57.567,-14.061 v1(57.658,-13.97) ; U14.49@75.544,-14.932 76.019,-14.932 v1(76.581,-15.494)
  Bottom Layer w0.254: v1(57.658,-13.97) 61.087,-13.97 63.119,-11.938 73.025,-11.938 73.254,-12.167 v1(76.581,-15.494)
"_USB 5V": C63.2 C64.2 C66.2 P3.4 U16.16 U17.1 U17.4 USB2.1 USB3.A4B9 USB3.B4A9 | length 91.3
  Top Layer w0.254: v2(54.229,-6.35) 54.229,-8.382 58.826,-12.979 58.826,-13.614 60.071,-14.859 60.071,-15.786 C64.2@60.143,-15.859
  Top Layer w0.5: v2(42.164,-13.335) 41.402,-12.573 41.402,-10.254 42.804,-8.852 v2(42.804,-7.599) ; U17.4@50.927,-10.414 50.952,-10.389 50.952,-9.643 51.245,-9.35 52.534,-9.35 52.827,-9.057 U17.1@52.827,-7.914 52.827,-6.599 C66.2@52.578,-6.35 v2(54.229,-6.35) ; U16.16@55.451,-15.494 59.779,-15.494 C64.2@60.071,-15.786
  Bottom Layer w0.5: P3.4@39.243,-23.495 40.767,-21.971 40.767,-19.431 39.379,-18.043 39.379,-17.408 39.374,-17.403 39.374,-16.379 42.107,-13.646 42.107,-13.392 v2(42.164,-13.335) ; v2(42.804,-7.599) 42.804,-7.518 43.569,-6.753 43.569,-6.723 43.942,-6.35 v2(54.229,-6.35) 71.374,-6.35 76.962,-11.938 87.914,-11.938 USB2.1@87.952,-11.9
_XH32_N: C57.2 U14.22 X5.2 | length 8.5
  Top Layer w0.254: X5.2@62.357,-16.978 62.484,-16.851 62.484,-16.256 62.738,-16.002 64.262,-16.002 C57.2@65.278,-17.018 65.551,-16.745 65.551,-16.618 67.237,-14.932 U14.22@68.728,-14.932
_XH32_P: C56.2 U14.21 X5.1 | length 7.6
  Top Layer w0.254: X5.1@62.357,-14.478 62.611,-14.732 62.611,-15.113 62.865,-15.367 64.389,-15.367 65.005,-14.751 C56.2@65.278,-14.478 65.91,-15.11 66.556,-15.11 67.134,-14.532 U14.21@68.523,-14.532
_XH_N: C50.2 U14.53 X4.3 | length 10
  Top Layer w0.254: U14.53@75.544,-13.332 76.197,-13.332 77.978,-15.113 79.375,-15.113 C50.2@80.137,-15.875 81.026,-14.986 82.763,-14.986 X4.3@83.693,-15.916
_XH_P: C49.2 U14.54 X4.1 | length 7.6
  Top Layer w0.254: U14.54@75.544,-12.932 76.432,-12.932 78.232,-14.732 79.228,-14.732 79.99,-13.97 C49.2@80.137,-13.97 81.739,-13.97 X4.1@81.993,-13.716